# Altium PCB OZ440-SE140-CAR001.PcbDoc (part 2 of 2)
Units mm, origin at the board's own origin, x right, y up, seen from the top; angles counter-clockwise.
Board outline 89.8 x 89.8 mm, 4 copper layers (Top Layer, Mid-Layer 1, Mid-Layer 2, Bottom Layer), stack 1.586 mm thick; 153 components, 102 nets, 482 pads, 333 vias.
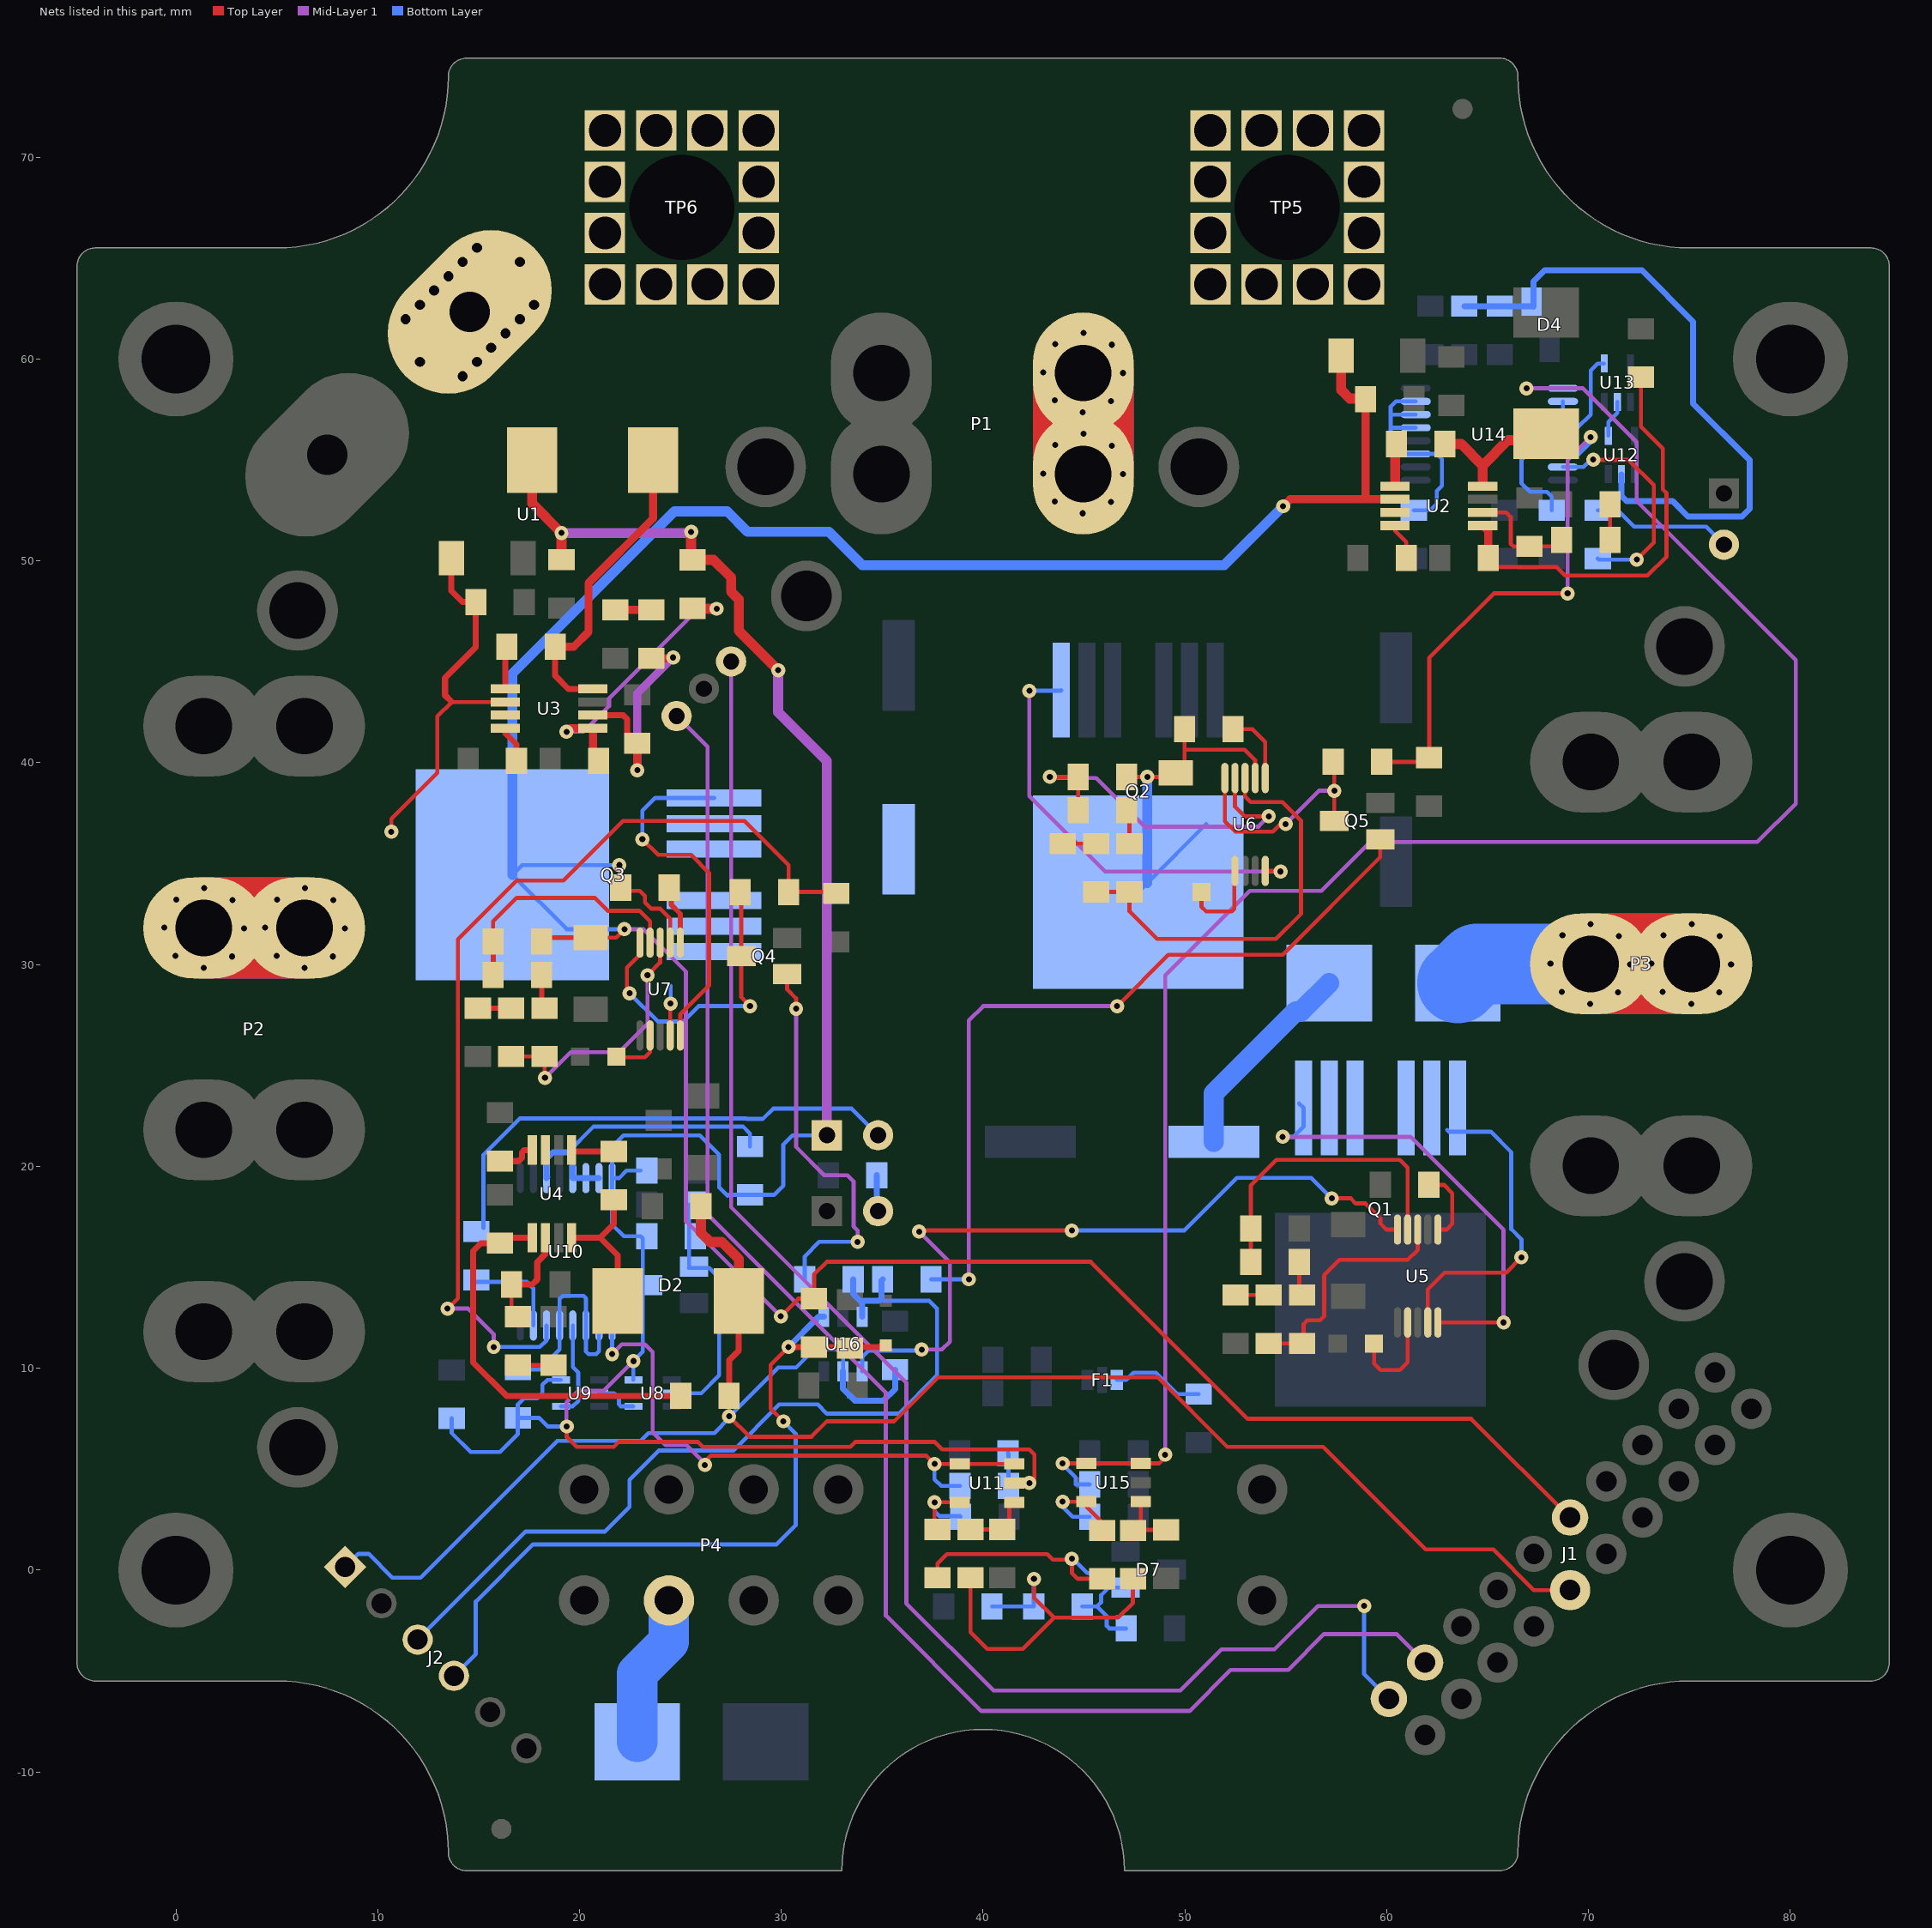
[diagram p4: the nets of this part, all layers, seen from the top]

## Via types
v1: diameter 0.7, hole 0.3, Top Layer to Bottom Layer, tented both sides, 305 vias
v2: diameter 0.6, hole 0.5, Top Layer to Bottom Layer, tented both sides, 28 vias

## Nets (pads, with @x,y where several pads share a name; then routed paths per layer and width w, separated by ;. In a path a pad name is that pad's centre, name@x,y a point inside that pad or via, vN(x,y) a via of type N, cw(c..) or ccw(c..) an arc to the next point about the centre after c; other vN are vias at no path point) (continued)
MAIN_POWER_SWITCHED: C2.2 C3.2 C8.2 C9.2 C25.2 J1.12 P2.2 Q3.8 R26.2 R27.2 R49.2 U2.2 U3.2 U7.2 | length 178.1
  Top Layer w0.2: v1(10.676,36.576) 10.676,37.219 12.954,39.497 12.954,42.291 13.669,43.006 U3.2@16.326,43.006 ; C25.2@20.549,31.334 21.809,31.334 v1(22.225,31.75) ; v1(21.971,34.925) 22.041,34.855 R26.2@22.041,33.807 22.193,33.655 22.987,33.655 23.241,33.401 23.241,33.077 23.552,32.766 24.003,32.766 24.494,32.275 U7.2@24.494,31.083 ; v1(29.972,12.573) 30.842,13.443 R49.2@31.623,13.443 31.623,14.637 32.258,15.272 45.333,15.272 53.111,7.493 64.189,7.493 J1.12@69.084,2.598
  Top Layer w0.25: R27.2@18.123,31.14 18.123,31.334 C25.2@20.549,31.334 ; R26.2@22.143,33.299 R26.2@22.168,33.274
  Top Layer w0.3: C8.2@13.649,50.13 13.649,48.514 14.205,47.958 C9.2@14.862,47.958 14.862,45.723 13.335,44.196 13.335,43.341 13.669,43.006
  Top Layer w0.4: v1(54.864,52.705) 55.208,53.049 58.877,53.049 ; C3.2@58.95,58.001 58.95,53.122 58.877,53.049 ; U2.2@60.414,53.049 58.877,53.049
  Top Layer w0.5: C2.2@57.737,60.173 57.737,58.468 58.166,58.039 58.912,58.039 C3.2@58.95,58.001
  Mid-Layer 1 w0.2: v1(22.225,31.75) 23.165,31.75 25.273,29.642 25.273,17.272 v1(29.972,12.573)
  Bottom Layer w0.2: v1(21.971,34.925) 17.154,34.925 Q3.8@16.672,34.442 19.364,31.75 v1(22.225,31.75)
  Bottom Layer w0.5: Q3.8@16.672,34.442 16.672,44.415 24.708,52.451 27.312,52.451 28.328,51.435 32.36,51.435 34.011,49.784 51.943,49.784 v1(54.864,52.705)
  other v1: 1.375,29.835 6.375,29.835 2.777,30.398 7.777,30.398 -0.014,30.428 4.986,30.428 3.371,31.787 8.371,31.787 -0.577,31.83 4.423,31.83 2.808,33.189 7.808,33.189 0.017,33.219 5.017,33.219 1.397,33.782 6.397,33.782
NetC1_1: C1.1 U2.1 | length 1.9
  Top Layer w0.5: 60.414,53.95 60.414,55.718 C1.1@60.484,55.788
NetC1_2: C1.2 L1.1 U2.8 | length 6.8
  Top Layer w0.5: C1.2@62.884,55.788 63.69,55.788 64.755,54.722 ; U2.8@64.755,53.899 64.755,54.722 ; L1.1@67.894,55.982 66.015,55.982 64.755,54.722
NetC5_2: C5.2 R5.1 U2.6 | length 5.1
  Top Layer w0.2: U2.6@64.755,52.399 65.915,52.399 66.142,52.172 66.142,50.851 66.294,50.698 66.313,50.718 C5.2@67.075,50.718 R5.1@68.358,50.718
NetC6_2: C6.2 R5.2 | length 1.8
  Top Layer w0.2: R5.2@71.069,51.029 C6.2@71.069,52.807
NetC7_1: C7.1 U3.1 | length 2.1
  Top Layer w0.3: U3.1@16.326,43.656 16.326,45.675 C7.1@16.396,45.745
NetC7_2: C7.2 L2.1 U3.8 | length 15.4
  Top Layer w0.3: C7.2@18.796,45.745 18.796,44.304 19.443,43.656 U3.8@20.667,43.656
  Top Layer w0.4: C7.2@18.796,45.745 19.71,45.745 20.447,46.482 20.447,48.895 23.647,52.095 L2.1@23.647,54.991
NetC11_2: C11.2 R9.1 U3.6 | length 12.1
  Top Layer w0.3: U3.6@20.667,42.356 22.16,42.356 22.352,42.164 22.352,41.472 C11.2@22.86,40.964
  Top Layer w0.4: v1(22.86,39.624) C11.2@22.86,40.964 ; R9.1@23.552,45.165 24.558,45.165 24.638,45.085 v1(24.638,45.212)
  Mid-Layer 1 w0.4: v1(22.86,39.624) 22.86,43.434 v1(24.638,45.212)
NetC12_2: C12.2 R9.2 | length 1.8
  Top Layer w0.4: C12.2@21.774,47.565 R9.2@23.552,47.565
NetC13_1: C13.1 U4.1 | length 2.1
  Top Layer w0.3: U4.1@19.612,20.809 19.682,20.739 C13.1@21.701,20.739
NetC13_2: C13.2 L3.1 U4.8 | length 7.1
  Top Layer w0.3: U4.8@19.612,16.468 21.024,16.468 ; C13.2@21.701,18.339 21.701,17.145 21.024,16.468 ; L3.1@21.895,13.329 21.895,15.597 21.024,16.468
NetC17_2: C17.2 R13.1 U4.6 | length 5.3
  Top Layer w0.2: C17.2@16.631,14.148 16.631,12.865 R13.1@16.942,12.554
  Top Layer w0.3: C17.2@16.631,14.148 17.662,14.148 17.907,14.393 17.907,15.26 18.312,15.665 U4.6@18.312,16.468
NetC18_2: C18.2 R13.2 | length 1.8
  Top Layer w0.2: R13.2@16.942,10.154 C18.2@18.72,10.154
NetC20_1: C20.1 F3.1 Q1.2 Q1.3 Q1.5 Q1.6 Q1.7 U5.9 | length 26.4
  Top Layer w0.2: U5.9@62.035,12.266 62.035,13.902 62.865,14.732 65.913,14.732 v1(66.675,15.494)
  Bottom Layer w0.2: 62.992,21.808 63.083,21.717 65.151,21.717 66.167,20.701 66.167,16.891 66.675,16.383 v1(66.675,15.494)
  Bottom Layer w1: C20.1@51.435,21.209 51.435,23.622 55.499,27.686 55.753,27.686 F3.1@57.15,29.083
NetC21_2: C21.2 U5.7 | length 4.9
  Top Layer w0.2: C21.2@59.371,11.221 59.371,10.225 59.69,9.906 60.654,9.906 61.035,10.287 U5.7@61.035,12.266
NetC22_2: C22.2 C26.1 Q2.8 Q3.2 Q3.3 Q3.5 Q3.6 Q3.7 R20.2 R21.2 U6.2 U7.9 | length 21.5
  Top Layer w0.2: U7.9@24.494,26.483 24.494,28.067 v1(24.511,28.067) ; R21.2@47.11,39.294 v1(48.133,39.294) 49.342,39.294 C22.2@49.536,39.488 49.981,39.933 49.981,40.64 ; R20.2@49.981,41.148 49.981,40.64 ; U6.2@53.481,39.237 53.481,40.118 52.959,40.64 49.981,40.64
  Bottom Layer w0.2: v1(24.511,28.067) 24.511,28.956 ; Q2.8@47.682,33.588 48.133,34.039 Q2.8@51.054,36.96
  Bottom Layer w0.5: Q2.8@48.133,34.039 v1(48.133,39.294)
NetC24_2: C24.2 U6.7 | length 4.4
  Top Layer w0.2: C24.2@50.817,33.592 50.817,32.87 51.054,32.633 52.318,32.633 52.451,32.766 52.451,34.607 U6.7@52.481,34.637
NetC27_2: C27.2 U7.7 | length 2.6
  Top Layer w0.2: C27.2@21.83,25.438 21.868,25.4 23.241,25.4 23.494,25.653 U7.7@23.494,26.483
NetC30_2: C30.2 D2.1 R33.2 U8.2 | length 12.4
  Bottom Layer w0.2: U8.2@24.572,8.763 26.037,8.763 26.924,9.65 26.924,14.478 26.431,14.971 25.408,14.971 25.432,14.995 25.432,15.022 C30.2@25.432,18.11
NetC31_1: C31.1 R37.2 U11.3 | length 4.5
  Top Layer w0.2: R37.2@37.743,2.013 37.592,2.163 v1(37.592,3.358) U11.3@38.837,3.358
  Bottom Layer w0.2: v1(37.592,3.358) 37.592,2.921 37.846,2.667 38.856,2.667 C31.1@38.881,2.642
NetC35_2: C35.2 D4.1 R41.2 U12.2 | length 32.3
  Bottom Layer w0.3: C35.2@63.845,62.617 R41.2@65.608,62.617 67.256,62.617 67.274,62.6 67.274,63.845 67.818,64.389 72.644,64.389 75.184,61.849 75.184,57.785 77.978,54.991 77.978,52.578 77.597,52.197 74.93,52.197 74.168,52.959 71.882,52.959 71.628,53.213 U12.2@71.628,54.27
NetC36_1: C36.1 R45.2 U15.3 | length 5.1
  Top Layer w0.2: v1(43.942,3.383) U15.3@45.11,3.383 45.11,3.15 45.898,2.362 R45.2@45.898,1.962
  Bottom Layer w0.2: v1(43.942,3.383) 43.688,3.383 44.43,2.642 C36.1@45.282,2.642
NetC41_1: C41.1 R38.2 U11.4 | length 3.2
  Top Layer w0.2: R38.2@39.368,2.013 C41.1@40.945,2.013 41.3,2.368 41.3,3.122 U11.4@41.537,3.358
NetC42_1: C42.1 R46.2 U15.4 | length 3.2
  Top Layer w0.2: U15.4@47.81,3.383 47.81,2.351 47.447,1.987 C42.1@49.073,1.987
NetD1_2: D1.2 R1.2 | length 1.8
  Bottom Layer w0.3: R1.2@34.728,19.558 34.728,17.85 D1.2@34.798,17.78
NetD3_2: D3.2 R34.2 | length 24.7
  Bottom Layer w0.2: R34.2@15.24,16.942 15.24,20.574 17.037,22.371 28.264,22.371 28.283,22.352 29.083,22.352 29.591,22.86 33.477,22.86 D3.2@34.798,21.539
NetD5_2: D5.2 R42.2 | length 7
  Bottom Layer w0.2: R42.2@70.46,52.508 71.444,52.508 72.263,51.689 75.819,51.689 D5.2@76.708,50.8
NetF1_1: F1.1 R53.2 | length 4.7
  Bottom Layer w0.2: F1.1@46.623,9.423 47.089,9.423 47.447,9.782 48.029,9.782 48.031,9.779 48.565,9.779 49.625,8.718 R53.2@50.688,8.718
NetF2_2: F2.2 P4.3 | length 7.7
  Bottom Layer w2: F2.2@22.858,-8.509 22.858,-5.127 24.429,-3.556 P4.3@24.429,-1.506
NetF3_2: F3.2 P3.2 | length 12
  Bottom Layer w4: F3.2@63.52,29.083 64.467,30.03 P3.2@70.108,30.03 71.466,30.03 71.497,30.03 72.06,30.03 73.113,30.03 73.675,30.03 73.706,30.03 75.086,30.03 P3.2@75.108,30.03
  other v1: 70.086,28.057 75.086,28.057 71.466,28.62 76.466,28.62 68.675,28.65 73.675,28.65 72.06,30.009 77.06,30.009 68.113,30.052 73.113,30.052 71.497,31.411 76.497,31.411 68.706,31.441 73.706,31.441 70.108,32.004 75.108,32.004
NetP1_1: P1.1 TP5.1
  other v1: 44.936,52.353 46.338,52.916 43.547,52.947 46.932,54.305 42.984,54.327 46.369,55.707 43.578,55.738 44.98,56.3 44.936,57.353 46.338,57.916 43.547,57.947 46.932,59.305 42.984,59.327 46.369,60.707 43.578,60.738 44.98,61.3
NetQ1_1: Q1.1 U5.10 | length 23.2
  Top Layer w0.2: U5.10@62.535,12.266 v1(65.786,12.266)
  Mid-Layer 1 w0.2: v1(54.841,21.463) 61.178,21.463 65.786,16.855 v1(65.786,12.266)
  Bottom Layer w0.2: v1(54.841,21.463) 55.372,21.463 55.88,21.971 Q1.1@55.88,22.887 Q1.1@55.653,23.114
NetQ2_1: Q2.1 U6.10 | length 21.6
  Top Layer w0.2: U6.10@53.981,34.637 54.707,34.637 v1(54.737,34.607)
  Mid-Layer 1 w0.2: v1(42.291,43.561) 42.291,38.354 46.038,34.607 v1(54.737,34.607)
  Bottom Layer w0.2: v1(42.291,43.561) 43.845,43.561 Q2.1@43.872,43.588
NetQ3_1: Q3.1 U7.10 | length 17.9
  Top Layer w0.2: v1(23.114,36.209) 23.89,35.433 25.527,35.433 26.416,34.544 26.416,28.956 24.994,27.534 U7.10@24.994,26.483
  Bottom Layer w0.2: v1(23.114,36.209) 23.114,37.617 23.749,38.252 Q3.1@26.672,38.252
NetQ4_3: Q4.3 R35.1 U7.5 | length 15.6
  Top Layer w0.2: v1(22.479,28.575) 22.352,28.702 22.352,29.845 22.994,30.487 U7.5@22.994,31.083 ; R35.1@27.959,33.592 28.016,33.535 Q4.3@28.016,30.417 ; Q4.3@28.022,30.411 Q4.3@28.016,30.417 ; v1(28.448,27.94) 28.016,28.372 Q4.3@28.016,30.417
  Bottom Layer w0.2: v1(22.479,28.575) 23.876,27.178 25.146,27.178 25.908,27.94 v1(28.448,27.94)
NetQ5_3: Q5.3 R55.1 U6.5 | length 11.6
  Top Layer w0.2: U6.5@51.981,39.237 51.981,37.097 52.502,36.576 54.356,36.576 54.737,36.957 v1(54.991,36.957) ; R55.1@57.347,40.039 57.404,39.982 v1(57.404,38.608) Q5.3@57.404,37.109
  Mid-Layer 1 w0.2: v1(54.991,36.957) 56.642,38.608 v1(57.404,38.608)
NetR2_1: R2.1 R3.2 U2.5 | length 20.7
  Top Layer w0.2: R3.2@65.03,50.14 65.487,49.682 68.428,49.682 68.834,49.276 72.923,49.276 73.863,50.216 73.863,53.349 73.679,53.533 73.679,55.556 72.593,56.642 R2.1@72.593,59.1
  Top Layer w0.4: U2.5@64.755,51.749 65.03,51.474 R3.2@65.03,50.14
NetR4_2: R4.2 U2.4 | length 1.8
  Top Layer w0.2: U2.4@60.414,51.749 60.414,51.473 60.966,50.921 R4.2@60.966,50.14
NetR6_1: R6.1 R7.2 U3.5 | length 14.5
  Top Layer w0.2: R6.1@25.603,47.644 R6.1@25.622,47.625
  Top Layer w0.4: v1(19.355,41.529) 19.532,41.706 U3.5@20.667,41.706 20.667,40.372 R7.2@20.942,40.097
  Top Layer w0.5: R6.1@25.622,47.625 v1(26.797,47.625)
  Mid-Layer 1 w0.2: v1(19.355,41.529) 20.193,41.529 21.463,42.799 21.463,43.18 25.908,47.625 v1(26.797,47.625)
NetR8_2: R8.2 U3.4 | length 1.8
  Top Layer w0.3: U3.4@16.326,41.706 16.326,41.459 16.878,40.907 R8.2@16.878,40.097
NetR10_1: R10.1 R11.2 U4.5 | length 19.7
  Top Layer w0.3: U4.5@17.662,16.468 16.328,16.468 R11.2@16.053,16.193 15.113,16.193 14.732,15.812 14.732,10.279 16.381,8.63 R10.1@25.013,8.63
NetR12_2: R12.2 U4.4 | length 2
  Top Layer w0.3: R12.2@16.053,20.257 16.977,20.257 17.145,20.425 17.145,20.701 17.253,20.809 U4.4@17.662,20.809
NetR14_1: R14.1 U5.1 | length 3.7
  Top Layer w0.2: R14.1@62.084,19.082 62.833,19.082 63.246,18.669 63.246,17.145 62.967,16.866 U5.1@62.535,16.866
NetR15_1: R15.1 R16.2 U5.4 | length 15.3
  Top Layer w0.2: R16.2@53.264,15.272 R15.1@53.264,16.923 53.264,19.05 54.534,20.32 60.654,20.32 61.035,19.939 U5.4@61.035,16.866
NetR16_1: R16.1 R17.2 | length 1.7
  Top Layer w0.2: R16.1@55.664,15.272 55.664,13.761 R17.2@55.804,13.621
NetR17_1: R17.1 R18.2 U5.3 | length 12
  Top Layer w0.2: R18.2@54.153,11.221 R17.1@55.804,11.221 55.88,11.297 55.88,12.192 56.058,12.37 56.693,12.37 56.896,12.573 56.896,14.605 57.658,15.367 61.035,15.367 61.535,15.867 U5.3@61.535,16.866
NetR18_1: R18.1 R19.2 | length 1.7
  Top Layer w0.2: R19.2@52.502,13.621 R18.1@54.153,13.621
NetR20_1: R20.1 U6.1 | length 3.6
  Top Layer w0.2: R20.1@52.381,41.656 53.346,41.656 53.981,41.021 U6.1@53.981,39.237
NetR21_1: R21.1 R22.2 U6.4 | length 18.3
  Top Layer w0.2: v1(43.307,39.294) R21.1@44.71,39.294 R22.2@44.71,37.643 ; U6.4@52.481,39.237 52.481,37.816 52.959,37.338 v1@54.01,37.338
  Mid-Layer 1 w0.2: v1(43.307,39.294) 43.307,39.243 45.593,39.243 48.006,36.83 53.645,36.83 v1(54.153,37.338)
NetR22_1: R22.1 R23.2 | length 1.7
  Top Layer w0.2: R22.1@47.11,37.643 47.25,37.503 R23.2@47.25,35.992
NetR23_1: R23.1 R24.2 U6.3 | length 21
  Top Layer w0.2: R24.2@45.599,33.592 R23.1@47.25,33.592 47.25,32.633 48.616,31.267 54.508,31.267 55.753,32.512 55.753,37.122 54.826,38.049 53.248,38.049 52.981,38.316 U6.3@52.981,39.237
NetR24_1: R24.1 R25.2 | length 1.7
  Top Layer w0.2: R25.2@43.948,35.992 R24.1@45.599,35.992
NetR26_1: R26.1 U7.1 | length 2.4
  Top Layer w0.25: R26.1@24.543,33.299 24.543,32.963 24.994,32.512 U7.1@24.994,31.083
NetR27_1: R27.1 R28.2 U7.4 | length 12.4
  Top Layer w0.2: R27.1@15.723,31.14 15.723,32.131 16.891,33.299 20.753,33.299 21.388,32.664 22.962,32.664 23.494,32.132 U7.4@23.494,31.083
  Top Layer w0.25: R28.2@15.723,29.489 R27.1@15.723,31.14
NetR28_1: R28.1 R29.2 | length 1.8
  Top Layer w0.25: R28.1@18.123,29.489 18.123,27.838 R29.2@18.263,27.838
NetR29_1: R29.1 R30.2 U7.3 | length 13.2
  Top Layer w0.2: R30.2@16.612,25.438 R29.1@18.263,25.438 18.263,24.536 18.237,24.511 18.237,24.435 v1(18.288,24.384) ; v1(23.368,29.464) 23.994,30.09 U7.3@23.994,31.083
  Mid-Layer 1 w0.2: v1(18.288,24.384) 19.558,25.654 21.971,25.654 23.368,27.051 v1(23.368,29.464)
NetR30_1: R30.1 R31.2 | length 1.7
  Top Layer w0.25: R31.2@14.961,27.838 R30.1@16.612,27.838
NetR32_2: R32.2 U10.2 U10.3 U10.5 | length 11.1
  Bottom Layer w0.2: R32.2@16.942,9.938 18.031,9.938 19.015,10.922 U10.5@19.015,12.116 19.015,13.427 19.177,13.589 20.193,13.589 20.32,13.462 20.315,13.457 U10.3@20.315,12.116 20.315,10.831 20.447,10.699 20.828,10.699 20.965,10.836 U10.2@20.965,12.116
NetR34_1: R34.1 U10.7 | length 4.8
  Bottom Layer w0.2: R34.1@14.884,14.275 17.395,14.275 17.715,13.955 U10.7@17.715,12.116
NetR35_2: R35.2 R43.1 U10.6 | length 48.9
  Top Layer w0.2: v1(13.462,12.954) 13.97,13.462 13.97,31.242 16.891,34.163 19.202,34.163 22.149,37.109 28.169,37.109 30.359,34.919 R35.2@30.359,33.592 32.645,33.592 R43.1@32.715,33.522
  Mid-Layer 1 w0.2: v1(13.462,12.954) 14.478,12.954 15.748,11.684 v1(15.748,11.049)
  Bottom Layer w0.2: v1(15.748,11.049) 18.034,11.049 18.365,11.38 U10.6@18.365,12.116
NetR36_2: R36.2 U10.1 U11.1 U11.6 | length 28.7
  Top Layer w0.2: v1@26.162,5.334 26.492,5.664 37.186,5.664 v1(37.592,5.258) U11.1@38.837,5.258 U11.6@41.537,5.258
  Mid-Layer 1 w0.2: v1(21.615,10.699) 22.092,11.176 23.241,11.176 23.622,10.795 23.622,6.825 24.257,6.19 25.306,6.19 v1@26.162,5.334
  Bottom Layer w0.2: v1(21.615,10.699) U10.1@21.615,12.116 ; v1(37.592,5.258) 37.592,4.496 37.922,4.166 R36.2@38.856,4.166
  other v1: 26.213,5.207
NetR39_2: R39.2 U10.11 U10.13 U10.14 U10.15 | length 15.2
  Bottom Layer w0.2: 19.431,20.701 20.701,21.971 28.098,21.971 28.448,21.621 R39.2@28.448,20.987
  Bottom Layer w0.3: U10.11@18.409,19.459 U10.11@18.365,19.416 18.365,20.378 18.688,20.701 19.431,20.701 19.665,20.467 U10.13@19.665,19.416 U10.15@20.965,19.416
NetR40_2: R40.2 U14.2 U14.3 U14.5 | length 9.6
  Bottom Layer w0.2: R40.2@68.18,52.508 68.18,53.181 67.945,53.416 67.107,53.416 66.675,53.848 66.675,54.998 67.624,55.947 ; U14.5@68.732,55.947 67.624,55.947 ; U14.2@68.732,57.897 U14.3@68.732,57.247 67.403,57.247 67.183,57.027 67.183,56.388 67.624,55.947
NetR42_1: R42.1 U14.7 | length 11.2
  Top Layer w0.2: v1(70.231,55.014) 70.231,54.999 70.232,54.998 71.98,54.998 73.229,53.749 73.229,50.899 v1(72.39,50.06)
  Bottom Layer w0.2: U14.7@68.732,54.647 69.753,54.647 70.12,55.014 v1(70.231,55.014) ; R42.1@70.46,50.108 70.507,50.06 v1(72.39,50.06)
NetR44_2: R44.2 U14.1 U15.1 U15.6 | length 95.7
  Top Layer w0.2: v1(43.942,5.283) U15.1@45.11,5.283 U15.6@47.81,5.283 48.717,5.283 49.149,5.715 v1(49.022,5.715)
  Mid-Layer 1 w0.2: v1(49.022,5.715) 49.022,29.464 53.213,33.655 56.769,33.655 59.182,36.068 78.359,36.068 80.264,37.973 80.264,45.085 72.39,52.959 72.39,55.88 69.723,58.547 v1(66.929,58.547)
  Bottom Layer w0.2: v1(43.942,5.283) 43.881,5.283 44.577,4.587 44.577,4.246 44.581,4.242 R44.2@45.282,4.242 ; v1(66.929,58.547) U14.1@68.732,58.547
NetR47_2: R47.2 U14.11 U14.13 U14.14 U14.15 | length 12.2
  Bottom Layer w0.2: R47.2@61.341,52.508 62.16,52.508 62.484,52.832 62.484,53.467 62.738,53.721 62.738,55.043 62.484,55.297 U14.11@61.432,55.297 60.527,55.297 60.198,55.626 60.198,56.515 ; U14.13@61.432,56.597 60.28,56.597 60.198,56.515 ; U14.14@61.432,57.247 60.228,57.247 60.198,57.277 ; U14.15@61.432,57.897 60.452,57.897 60.198,57.643 60.198,57.277 ; 60.198,56.515 60.198,57.277
NetR55_2: R55.2 R56.1 U14.6 | length 25.7
  Top Layer w0.2: R55.2@59.747,40.039 61.896,40.039 R56.1@62.103,40.246 62.103,45.183 65.307,48.387 v1(68.961,48.387)
  Mid-Layer 1 w0.2: v1(68.961,48.387) 68.961,54.995 v1(70.1,56.134)
  Bottom Layer w0.2: U14.6@68.732,55.297 69.521,55.297 70.108,55.884 70.108,56.126 v1(70.1,56.134)
NetTP6_1: TP6.1 U1.5
  other v2: 14.212,59.148 12.091,59.855 14.919,59.855 15.626,60.562 16.333,61.27 11.383,61.977 17.04,61.977 12.091,62.684 17.747,62.684 12.798,63.391 13.505,64.098 14.212,64.805 17.04,64.805 14.919,65.512
NetU2_3: U2.3
NetU3_3: U3.3
NetU4_3: U4.3
NetU5_5: U5.5 U16.4 | length 37.5
  Top Layer w0.2: v1(36.83,16.764) 36.887,16.821 v1(44.399,16.821) ; v1@36.957,10.877 v1(36.957,10.922) ; v1(57.277,18.415) 58.217,18.415 58.471,18.161 58.953,18.161 59.684,17.431 59.684,17.183 60.001,16.866 U5.5@60.535,16.866
  Mid-Layer 1 w0.2: v1(36.83,16.764) 38.354,15.24 38.354,11.318 37.958,10.922 v1(36.957,10.922)
  Bottom Layer w0.2: U16.4@34.006,9.848 34.006,10.541 34.341,10.877 v1@36.957,10.877 ; v1(44.399,16.821) 49.968,16.821 52.578,19.431 56.261,19.431 v1(57.277,18.415)
NetU8_4: U8.4 U9.2 | length 2.1
  Bottom Layer w0.2: U9.2@20.98,8.763 21.702,8.763 21.956,8.509 21.956,8.202 22.045,8.113 U8.4@22.672,8.113
NetU9_4: U9.4 U10.4 | length 4.8
  Bottom Layer w0.2: U9.4@19.08,8.113 19.67,8.113 19.939,8.382 19.939,9.782 19.665,10.055 U10.4@19.665,12.116
NetU12_4: U12.4 U13.2 | length 1.9
  Bottom Layer w0.2: U12.4@70.978,56.195 70.978,56.885 71.425,57.332 U13.2@71.425,57.876
NetU13_4: U13.4 U14.4 | length 4.6
  Bottom Layer w0.2: U14.4@68.732,56.597 69.454,56.597 70.104,57.247 70.104,59.436 70.444,59.776 U13.4@70.775,59.776
PGC: J2.3 R51.1 R52.1 U16.3 | length 42.7
  Bottom Layer w0.2: J2.3@11.981,-3.447 17.334,1.905 21.26,1.905 22.479,3.124 22.479,4.471 23.926,5.918 27.616,5.918 29.9,8.202 31.803,8.202 32.258,7.747 35.814,7.747 37.719,9.652 37.719,12.954 37.338,13.335 35.085,13.335 34.958,13.462
  Bottom Layer w0.3: R51.1@33.56,14.402 33.56,13.684 34.006,13.238 ; U16.3@34.006,12.548 34.006,13.238 ; R52.1@35.02,14.402 34.958,14.339 34.958,13.462 34.831,13.335 34.102,13.335 34.006,13.238
PGD: D6.K J2.4 R49.1 R50.1 U16.1 | length 38.4
  Top Layer w0.2: v1(30.099,7.366) 29.464,8.001 29.464,10.16 v1(30.353,11.049)
  Top Layer w0.3: v1(30.353,11.049) 30.359,11.043 R49.1@31.623,11.043 34.858,11.043 D6.K@34.95,11.135
  Bottom Layer w0.2: J2.4@13.778,-5.243 14.859,-4.162 14.859,-1.563 17.692,1.27 29.769,1.27 30.709,2.21 30.709,6.756 v1(30.099,7.366) v1@30.099,7.239
  Bottom Layer w0.3: v1(30.353,11.049) 31.852,12.548 U16.1@32.106,12.548
PIC_PWR: C16.2 C38.1 J1.9 J2.1 L3.2 R10.2 U16.5 | length 95.4
  Top Layer w0.2: R10.2@27.413,8.63 v1(27.413,7.62) 28.429,6.604 31.496,6.604 32.258,7.366 35.585,7.366 37.77,9.55 47.404,9.55 47.413,9.559 48.632,9.559 52.095,6.096 56.845,6.096 61.925,1.016 65.278,1.016 67.289,-0.995 J1.9@69.084,-0.995
  Top Layer w0.3: R10.2@27.413,8.63 27.413,10.395 27.895,10.877 L3.2@27.895,13.329
  Top Layer w0.5: C16.2@26.016,18.028 26.016,16.707 26.467,16.256 27.051,16.256 27.895,15.412 L3.2@27.895,13.329
  Bottom Layer w0.2: J2.1@8.389,0.145 9.046,0.801 9.549,0.801 10.731,-0.381 12.116,-0.381 18.898,6.401 23.038,6.401 23.419,6.782 26.676,6.782 27.432,7.538 27.413,7.557 v1(27.413,7.62) 27.432,7.62 29.845,10.033 30.734,10.033 31.623,10.922 32.766,10.922 33.056,10.632 U16.5@33.056,9.848
  Bottom Layer w0.3: U16.5@33.056,9.848 33.056,8.981 33.655,8.382 35.052,8.382 35.636,8.966 C38.1@35.636,9.925
POWER1_EN_DELAYED: Q4.1 R51.2 | length 19.4
  Top Layer w0.2: Q4.1@30.291,29.517 30.291,28.764 30.734,28.321 v1(30.734,27.813)
  Mid-Layer 1 w0.2: v1(30.734,27.813) 30.734,20.955 32.131,19.558 33.274,19.558 33.578,19.254 33.578,17.025 33.782,16.821 v1(33.782,16.256)
  Bottom Layer w0.2: R51.2@31.16,14.402 31.16,15.539 31.877,16.256 v1(33.782,16.256)
POWER2_EN_DELAYED: Q5.1 R52.2 | length 39.7
  Top Layer w0.2: v1(46.634,27.94) 49.174,30.48 54.841,30.48 59.679,35.318 Q5.1@59.679,36.209 Q5.1@59.944,35.944
  Mid-Layer 1 w0.2: v1(39.292,14.402) 39.292,27.227 40.005,27.94 v1(46.634,27.94)
  Bottom Layer w0.2: R52.2@37.42,14.402 v1(39.292,14.402)
SENSOR_N: R38.1 R46.1 R57.1 R58.2 | length 19
  Top Layer w0.2: R38.1@39.368,-0.387 39.368,-3.072 40.208,-3.912 41.961,-3.912 43.51,-2.362 ; v1(42.52,-0.438) 42.52,-1.372 43.51,-2.362 ; R46.1@47.422,-0.438 47.422,-1.626 46.685,-2.362 43.51,-2.362
  Bottom Layer w0.2: R58.2@40.443,-1.803 R57.1@42.513,-1.803 42.513,-0.444 v1(42.52,-0.438)
SENSOR_P: D7.1 R37.1 R45.1 R54.1 R57.2 | length 17.4
  Top Layer w0.2: R37.1@37.743,-0.387 37.743,0.328 38.202,0.787 43.18,0.787 43.459,0.508 v1@44.348,0.508 ; v1(44.399,0.559) v1@44.348,0.508 ; R45.1@45.898,-0.438 44.685,-0.438 44.399,-0.152 44.399,0.457 v1@44.348,0.508
  Bottom Layer w0.2: v1(44.399,0.559) 44.399,0.61 45.158,-0.149 45.491,-0.149 46.217,-0.875 ; R57.2@44.913,-1.803 45.644,-1.803 ; D7.1@47.058,-0.875 46.217,-0.875 ; R54.1@47.085,-2.896 46.253,-2.896 46.126,-2.769 46.126,-2.286 45.644,-1.803 ; 45.644,-1.803 45.847,-1.6 45.847,-1.245 46.217,-0.875
VCC_SENS: J1.2 U1.1 | length 81.6
  Mid-Layer 1 w0.2: U1.1@27.513,45.013 27.513,17.972 36.195,9.29 36.195,-1.651 40.513,-5.969 49.777,-5.969 51.809,-3.937 54.433,-3.937 56.592,-1.778 v1(58.877,-1.778)
  Bottom Layer w0.2: v1(58.877,-1.778) 58.877,-5.156 J1.2@60.104,-6.383
VCC_U_OZ440-SE140-CAR001_sheet4_Engagement_block1: C10.2 C28.1 C29.1 C32.1 D2.3 D3.1 L2.2 R6.2 R32.1 R33.1 R36.1 R39.1 U8.5 U9.5 U10.16 U11.5 | length 123
  Top Layer w0.2: v1(19.364,7.112) 19.364,6.613 19.355,6.604 19.863,6.096 21.701,6.096 21.955,6.35 25.864,6.35 26.118,6.096 33.429,6.096 33.683,6.35 37.592,6.35 37.973,5.969 42.291,5.969 42.545,5.715 42.545,4.308 v1(42.291,4.308) U11.5@41.537,4.308
  Top Layer w0.5: L2.2@17.647,54.991 17.647,52.838 v1(19.107,51.378) C10.2@19.107,50.06 ; v1(25.527,51.435) 25.527,50.12 R6.2@25.603,50.044 26.645,50.044 27.513,49.176 27.513,48.47 27.895,48.087 27.895,46.527 v1(29.845,44.577)
  Mid-Layer 1 w0.2: v1(19.364,7.112) 19.364,6.613 19.355,6.604 19.355,8.306 19.939,8.89 21.209,8.89 v1(22.672,10.353)
  Mid-Layer 1 w0.5: v1(19.107,51.378) 25.47,51.378 v1(25.527,51.435) ; v1(29.845,44.577) 29.845,42.498 32.258,40.085 D3.1@32.258,21.539
  Bottom Layer w0.2: C29.1@13.665,7.512 13.665,6.782 14.605,5.842 16.053,5.842 16.942,6.731 R32.1@16.942,7.538 ; U9.5@19.08,9.413 19.069,9.423 18.409,9.423 18.161,9.176 18.161,8.763 17.907,8.509 17.249,8.509 16.942,8.202 R32.1@16.942,7.538 ; v1(19.364,7.112) 18.415,7.112 17.989,7.538 R32.1@16.942,7.538 ; U8.5@22.672,9.413 v1(22.672,10.353) 23.133,10.814 23.133,14.071 23.133,16.434 23.032,16.535 22.2,16.535 21.615,17.12 U10.16@21.615,19.416 ; C28.1@23.032,19.787 22.327,19.787 21.956,19.416 U10.16@21.615,19.416 ; D3.1@32.207,21.59 D3.1@32.258,21.539 30.556,21.539 30.099,21.082 30.099,19.05 29.636,18.587 R39.1@28.448,18.587 27.381,18.587 27.336,18.542 26.924,18.954 26.924,20.574 25.959,21.539 22.174,21.539 21.615,20.98 U10.16@21.615,19.416 ; C32.1@41.23,5.791 41.256,5.766 R36.1@41.256,4.166 41.398,4.308 v1(42.291,4.308)
VOUT_SENS: J1.4 U1.3 | length 79.7
  Mid-Layer 1 w0.2: U1.3@24.811,42.312 26.34,40.784 26.34,17.628 35.179,8.789 35.179,-2.26 39.904,-6.985 50.226,-6.985 52.258,-4.953 55.118,-4.953 56.896,-3.175 60.488,-3.175 J1.4@61.9,-4.587
pads on no net: Cent1.0 Cent2.0 Cent3.0 Cent4.0 D2.2 D4.2 D7.2 J1.13 J1.18 J1.20 J2.5 P1.Fix1 P1.Fix2 P2.Fix1 P2.Fix2 P3.Fix1 P3.Fix2 TP1.1 TP2.1 TP3.1 TP4.1 U8.1 U9.1 U10.9 U10.10 U12.1 U13.1 U14.9 U14.10

## Polygon pours and split planes (outlines as drawn)
MAIN_POWER_SWITCHED on Bottom Layer "main8pwr" (solid, pour order 29): -2.032,26.67 21.59,26.67 21.59,39.853 21.615,39.878 12.192,39.878 9.144,36.83 -2.032,36.83
MAIN_POWER on Bottom Layer "NetP2_1" (solid, pour order 37): -1.651,39.497 -1.651,51.689 6.66,60 9.088,60 12.7,56.388 12.7,41.91 9.779,38.989 -1.143,38.989
NetP1_1 on Bottom Layer "NetP2_1" (solid, pour order 45): 48.26,51.308 48.26,61.087 49.403,62.23 60.325,62.23 60.325,73.025 43.815,73.025 40.005,69.215 40.005,51.308
NetTP6_1 on Bottom Layer "NetP2_1" (solid, pour order 41): 10.16,62.617 10.385,62.865 17.715,70.196 17.715,72.071 18.542,72.898 30.226,72.898 30.734,72.39 30.734,62.357 28.448,60.071 17.526,60.071 15.245,57.785 12.756,57.785 9.906,60.635 9.906,62.357
NetC22_2 on Bottom Layer "GND_PWR" (solid, pour order 30): 24.13,37.465 29.972,37.465 32.512,40.005 40.132,40.005 40.894,40.005 42.418,38.481 52.959,38.481 52.959,28.702 42.335,28.702 24.13,28.702
MAIN_POWER_OUT on Bottom Layer "GND_PWR" (solid, pour order 33): 44.704,46.355 53.721,46.355 55.245,47.879 68.072,47.879 72.644,43.307 77.216,43.307 78.74,41.783 78.74,37.084 66.167,37.084 63.246,40.005 45.085,40.005 44.704,40.386
MAIN_POWER on Bottom Layer "NetP2_1" (solid, pour order 28): 0.635,26.035 25.07,26.035 26.162,27.051 37.211,27.051 39.751,24.511 39.751,20.193 43.688,16.256 56.337,16.256 56.337,10.033 48.946,10.033 45.898,13.081 42.291,13.081 36.703,18.669 36.703,21.971 35.052,23.622 28.829,23.622 27.94,22.733 14.558,22.733 10.113,18.288 -1.016,18.288 -2.667,19.939 -2.667,22.733
MAIN_POWER on Mid-Layer 2 "NetP2_1" (solid, pour order 36): -4.445,41.783 -4.512,48.895 6.66,60 9.088,60 12.7,56.388 12.7,41.91 9.779,38.989 -1.143,38.989
GND on Mid-Layer 2 "gnd general" (solid, pour order 49): -3.999,-5.497 5.001,-5.497 cw(c5.001,-13.997) 13.501,-13.997 ccw(c14.401,-13.997) 14.401,-14.897 33.001,-14.897 cw(c40.001,-14.897) 47.001,-14.897 65.601,-14.897 ccw(c65.601,-13.997) 66.5,-13.997 cw(c75.001,-13.997) 75.001,-5.497 84.001,-5.497 ccw(c84.001,-4.597) 84.9,-4.597 84.9,64.603 ccw(c84.001,64.603) 84.001,65.503 75.001,65.503 cw(c75.001,74.003) 66.5,74.003 ccw(c65.601,74.003) 65.601,74.903 14.401,74.903 ccw(c14.401,74.003) 13.501,74.003 cw(c5.001,74.003) 5.001,65.503 -3.999,65.503 ccw(c-3.999,64.603) -4.899,64.603 -4.899,-4.597 ccw(c-3.999,-4.597)
MAIN_POWER on Mid-Layer 2 "NetP2_1" (solid, pour order 48): -4.445,44.45 -4.445,19.05 13.335,19.05 13.335,44.45
MAIN_POWER_OUT on Mid-Layer 2 "GND_PWR" (solid, pour order 32): 47.371,46.355 53.721,46.355 55.245,47.879 68.072,47.879 72.644,43.307 77.216,43.307 78.74,41.783 78.74,38.608 77.216,37.084 66.167,37.084 63.246,40.005 47.371,40.005
NetTP6_1 on Mid-Layer 2 "NetP2_1" (solid, pour order 40): 10.16,62.617 10.385,62.865 17.715,70.196 17.715,72.071 18.542,72.898 30.226,72.898 30.734,72.39 30.734,62.357 28.448,60.071 17.526,60.071 15.245,57.785 12.756,57.785 9.906,60.635 9.906,62.357
NetP1_1 on Mid-Layer 2 "NetP2_1" (solid, pour order 44): 48.26,51.308 48.26,61.087 49.403,62.23 60.325,62.23 60.325,73.025 43.815,73.025 40.005,69.215 40.005,51.308
no net on Bottom Solder "NetP2_1" (solid): 72.517,42.926 67.945,42.926 66.675,41.656 65.786,41.656 65.786,43.561 64.008,45.339 61.722,45.339 61.722,46.863 59.309,46.863 59.309,47.879 68.072,47.879 72.517,43.434
no net on Bottom Solder "NetP2_1" (solid): 52.324,46.355 53.721,46.355 55.245,47.879 59.309,47.879 59.309,46.863 59.182,46.863 59.182,45.212 56.896,45.212 55.245,43.561 55.245,40.03 52.324,40.03
no net on Bottom Paste "NetP2_1" (solid): 72.517,42.926 67.945,42.926 66.675,41.656 65.786,41.656 65.786,43.561 64.008,45.339 61.722,45.339 61.722,46.863 59.309,46.863 59.309,47.879 68.072,47.879 72.517,43.434
no net on Bottom Paste "NetP2_1" (solid): 52.324,46.355 53.721,46.355 55.245,47.879 59.309,47.879 59.309,46.863 59.182,46.863 59.182,45.212 56.896,45.212 55.245,43.561 55.245,40.03 52.324,40.03
NetP1_1 on Top Layer "NetP2_1" (solid, pour order 43): 48.26,51.308 48.26,61.087 49.403,62.23 60.325,62.23 60.325,73.025 43.815,73.025 40.005,69.215 40.005,51.308
MAIN_POWER on Top Layer "NetP2_1" (solid, pour order 47): -4.445,44.45 -4.445,19.05 13.335,19.05 13.335,33.782 10.676,33.782 7.62,36.83 7.62,44.45
NetTP6_1 on Top Layer "NetP2_1" (solid, pour order 39): 10.16,62.617 10.385,62.865 17.715,70.196 17.715,72.071 18.542,72.898 30.226,72.898 30.734,72.39 30.734,62.357 28.448,60.071 17.526,60.071 15.245,57.785 12.756,57.785 9.906,60.635 9.906,62.357
MAIN_POWER on Top Layer "NetP2_1" (solid, pour order 35): -4.445,41.783 -4.512,48.895 6.66,60 9.088,60 11.557,57.531 11.557,40.767 9.779,38.989 -1.143,38.989
GND on Top Layer "NetP2_1" (solid, pour order 50): 31.75,62.865 31.75,38.1 34.417,35.433 34.417,29.74 35.455,28.702 36.957,28.699 37.338,28.321 37.338,25.019 41.616,20.739 64.224,20.739 67.846,17.117 78.232,17.117 78.232,26.797 67.691,26.797 65.913,28.575 65.913,34.798 64.897,35.814 61.722,35.814 59.684,33.807 59.69,29.083 59.182,28.575 53.213,28.575 51.435,26.797 46.228,26.797 45.72,27.305 45.72,29.337 41.148,33.909 41.148,45.974 38.481,48.641 38.481,62.865
NetP1_1 on Mid-Layer 1 "NetP2_1" (solid, pour order 42): 48.26,51.308 48.26,61.087 49.403,62.23 60.325,62.23 60.325,73.025 43.815,73.025 40.005,69.215 40.005,51.308
MAIN_POWER on Mid-Layer 1 "NetP2_1" (solid, pour order 46): -4.445,44.45 -4.445,19.05 13.335,19.05 13.335,44.45
NetTP6_1 on Mid-Layer 1 "NetP2_1" (solid, pour order 38): 10.16,62.617 10.385,62.865 17.715,70.196 17.715,72.071 18.542,72.898 30.226,72.898 30.734,72.39 30.734,62.357 28.448,60.071 17.526,60.071 15.245,57.785 12.756,57.785 9.906,60.635 9.906,62.357
MAIN_POWER on Mid-Layer 1 "NetP2_1" (solid, pour order 34): -4.445,41.783 -4.512,48.895 6.66,60 9.088,60 12.7,56.388 12.7,41.91 9.779,38.989 -1.143,38.989
MAIN_POWER_OUT on Mid-Layer 1 "GND_PWR" (solid, pour order 31): 47.371,46.355 53.721,46.355 55.245,47.879 68.072,47.879 72.644,43.307 77.216,43.307 78.74,41.783 78.74,38.608 77.216,37.084 66.167,37.084 63.246,40.005 47.371,40.005

## Other copper
Top Layer:
  text "OZ440-SE140-CAR001_1V" at 46.609,-10.795 h1
Mid-Layer 1:
  text "2" at 84.074,41.529 h2 r90
Mid-Layer 2:
  text "3" at 84.074,43.815 h2 r90
Bottom Layer:
  region net GND: 43.434,20.479 43.434,25.051 40.132,25.051 40.132,20.479
  rectangle net GND: 59.436,32.537 64.008,35.839
  rectangle net GND: 34.798,44.069 39.37,47.371
  rectangle net NetC20_1: 56.769,20.574 59.309,29.845
  rectangle net NetC20_1: 56.769,20.574 64.008,26.162

## Silkscreen, mask and mechanical layers (free items; w line width, h text height)
Top Overlay:
  drawing of 428 lines, arcs and shapes, not listed
  text "Naio Technologies / 2014" at 46.092,21.463 h2
Bottom Overlay:
  drawing of 355 lines, arcs and shapes, not listed
  text "Naio Technologies / 2014" at 52.324,49.149 h2
Bottom Paste:
  rectangle: 29.464,28.702 42.037,33.045
  rectangle: -4.318,26.67 21.615,28.575
  rectangle: -4.318,35.052 11.43,36.957
Bottom Solder:
  rectangle: 29.464,28.702 42.037,33.147
  rectangle: -4.318,26.67 21.615,28.575
  rectangle: -4.318,35.052 11.43,36.957
cutout:
  lines w0.05: -4.899,-4.597 ccw(c-3.999,-4.597) -3.999,-5.497 5.001,-5.497 cw(c5.001,-13.997) 13.501,-13.997 ccw(c14.401,-13.997) 14.401,-14.897 30.001,-14.897 33.001,-14.897 cw(c40.001,-14.897) 47.001,-14.897 60.001,-14.897 65.601,-14.897 ccw(c65.601,-13.997) 66.5,-13.997 cw(c75.001,-13.997) 75.001,-5.497 84.001,-5.497 ccw(c84.001,-4.597) 84.9,-4.597 84.9,64.603 ccw(c84.001,64.603) 84.001,65.503 75.001,65.503 cw(c75.001,74.003) 66.5,74.003 ccw(c65.601,74.003) 65.601,74.903 14.401,74.903 ccw(c14.401,74.003) 13.501,74.003 cw(c5.001,74.003) 5.001,65.503 -3.999,65.503 ccw(c-3.999,64.603) -4.899,64.603 -4.899,-4.597
  lines w0.1: 51.589,28.084 51.591,28.084
Mechanical 8:
  drawing of 8212 lines, arcs and shapes, not listed
Mechanical 16:
  drawing of 2594 lines, arcs and shapes, not listed
  text "1" at -117.166,188.53 h1.78
  text "2" at -68.127,188.53 h1.78
  text "3" at -18.868,188.53 h1.78
  text "4" at 30.425,188.53 h1.78
  text "5" at 79.701,188.53 h1.78
  text "6" at 128.723,188.53 h1.78
  text "7" at 178.253,188.53 h1.78
  text "8" at 227.275,188.53 h1.78
  text "A" at -139.298,154.545 h1.78
  text "A" at 249.322,154.545 h1.78
  text "B" at -139.298,83.933 h1.78
  text "B" at 249.322,83.933 h1.78
  text "C" at -139.298,13.321 h1.78
  text "C" at 247.864,5.765 h1.78
  text "D" at -139.298,-56.783 h1.78
  text "D" at 249.322,-56.783 h1.78
  text "Verifie par:" at 134.387,-56.961 h1.14
  text "Nom de la carte:" at 172.487,-56.961 h1.14
  text ".VerifEngineer" at 140.013,-60.157 h1.52
  text ".boardName" at 184.493,-60.541 h1.52
  text "Nom du Projet" at 172.36,-63.311 h1.14
  text "dessine par:" at 134.387,-64.454 h1.14
  text ".projectTitle" at 184.813,-66.941 h1.52
  text ".designEngineer" at 140.205,-67.645 h1.52
  text "3 Av didier Daurat" at 102.921,-71.882 h1.52
  text "DATE:" at 134.387,-72.201 h1.14
  text "PART NO.:" at 172.487,-72.201 h1.14
  text "Revision" at 225.827,-72.201 h1.14
  text ".PRINT_DATE" at 135.657,-75.249 h1.78
  text "31400 Toulouse" at 104.851,-75.692 h1.52
  text ".boardrevision" at 226.238,-75.692 h1.52
  text ".boardPartNumber" at 181.165,-75.709 h1.52
  text "NOM DU FICHIER:" at 134.387,-79.821 h1.14
  text "Document: No:" at 172.487,-79.821 h1.14
  text "Echelle:" at 225.827,-79.821 h1.14
  text "1:1" at 231.789,-82.429 h1.52
  text ".PCB_FILE_NAME_NO_PATH" at 133.909,-82.931 h1.78
  text "1" at -117.166,-88.33 h1.78
  text "2" at -68.127,-88.33 h1.78
  text "3" at -18.868,-88.33 h1.78
  text "4" at 30.425,-88.33 h1.78
  text "5" at 79.701,-88.33 h1.78
  text "6" at 128.723,-88.33 h1.78
  text "7" at 178.253,-88.33 h1.78
  text "8" at 227.275,-88.33 h1.78
Drill Drawing:
  lines w0.1: -13.054,142.384 -13.052,142.384
  lines w0.25: -114.935,147.477 -10.541,147.477 ; -114.935,151.827 -10.541,151.827 ; -116.459,119.891 ccw(c-115.059,119.891) -115.059,118.491 -10.417,118.491 ccw(c-10.417,119.891) -9.017,119.891 -9.017,155.572 ccw(c-10.417,155.572) -10.417,156.972 -115.059,156.972 ccw(c-115.059,155.572) -116.459,155.572 -116.459,119.891
  lines w0.3: -23.114,64.008 -20.193,64.008 ; 4.033,53.406 4.826,54.198 ; 4.033,54.991 4.826,54.198 ; 11.189,61.056 11.981,61.849 ; 11.189,62.642 11.981,61.849 ; -20.193,64.008 -10.383,54.198 4.826,54.198 ; -20.193,64.008 -9.271,64.008 -7.112,61.849 11.981,61.849
  text "Layer Stack Up Detail for: OZ440-SE140-CAR001.PcbDoc" at -114.935,152.964 h1.95
  text "Layer" at -114.935,150.202 h1
  text "Copper" at -85.544,150.202 h1
  text "Dielectric" at -68.13,150.202 h1
  text "Dielectric" at -50.015,150.202 h1
  text "Dielectric" at -27.622,150.202 h1
  text "Name" at -114.935,148.202 h1
  text "Thickness" at -85.544,148.202 h1
  text "Height" at -68.13,148.202 h1
  text "Material" at -50.015,148.202 h1
  text "Type" at -27.622,148.202 h1
  text "Top Solder Mask" at -114.935,145.348 h1.4
  text "0.0102mm" at -68.13,145.348 h1.4
  text "Solder Resist" at -50.015,145.348 h1.4
  text "Top Layer" at -114.935,141.339 h1.4
  text "0.07mm" at -85.544,141.339 h1.4
  text "0.288mm" at -68.13,139.335 h1.4
  text "FR-4" at -50.015,139.335 h1.4
  text "Core" at -27.622,139.335 h1.4
  text "Mid-Layer 1" at -114.935,137.331 h1.4
  text "0.07mm" at -85.544,137.331 h1.4
  text "0.73mm" at -68.13,135.326 h1.4
  text "FR-4" at -50.015,135.326 h1.4
  text "PrePreg" at -27.622,135.326 h1.4
  text "Mid-Layer 2" at -114.935,133.322 h1.4
  text "0.07mm" at -85.544,133.322 h1.4
  text "0.288mm" at -68.13,131.318 h1.4
  text "FR-4" at -50.015,131.318 h1.4
  text "Core" at -27.622,131.318 h1.4
  text "Bottom Layer" at -114.935,129.314 h1.4
  text "0.07mm" at -85.544,129.314 h1.4
  text ".Legend" at 79.426,128.829 h1.52
  text "Bottom Solder Mask" at -114.935,125.305 h1.4
  text "0.0102mm" at -68.13,125.305 h1.4
  text "Solder Resist" at -50.015,125.305 h1.4
  text "2 x trous fraisés" at -40.259,63.373 h3
  text "NOTA : Toutes les dimensions en mm" at 97.581,-52.285 h1.52
  text ".DrillDocumentNumber" at 180.397,-82.749 h1.52
Mechanical 17:
  lines w0.127: -141.239,-19.432 -136.159,-19.432 ; -141.239,51.053 -136.159,51.053 ; -141.239,121.538 -136.159,121.538 ; -136.159,-77.217 -21.859,-77.217 ; -136.159,-69.597 -21.859,-69.597 ; -113.299,-84.837 -113.299,-69.597 ; -91.963,-89.917 -91.963,-84.837 ; -91.963,186.943 -91.963,192.023 ; -59.959,-84.837 -59.959,-69.597 -59.959,-54.357 ; -59.959,-61.977 -21.859,-61.977 ; -42.687,-89.917 -42.687,-84.837 ; -42.687,186.943 -42.687,192.023 ; 6.462,-89.917 6.462,-84.837 ; 6.462,186.943 6.462,192.023 ; 55.611,-89.917 55.611,-84.837 ; 55.611,186.943 55.611,192.023 ; 104.887,-89.917 104.887,-84.837 ; 104.887,186.943 104.887,192.023 ; 154.036,-89.917 154.036,-84.837 ; 154.036,186.943 154.036,192.023 ; 203.185,-89.917 203.185,-84.837 ; 203.185,186.943 203.185,192.023 ; 245.923,43.497 251.003,43.497 ; 247.381,-19.432 252.461,-19.432 ; 247.381,121.538 252.461,121.538 ; -136.159,-84.837 -136.159,-54.357 -59.959,-54.357 ; -136.159,-84.837 -21.859,-84.837 ; -136.159,-84.837 -136.159,186.943 247.381,186.943 247.381,-84.837 -136.159,-84.837 ; -59.959,-54.357 -21.859,-54.357 ; -21.859,-84.837 -21.859,-54.357 ; -21.859,-84.837 13.701,-84.837 13.701,-54.357 -21.859,-54.357 ; -141.239,-89.917 -141.239,192.023 252.461,192.023 252.461,-89.917 -141.239,-89.917
  text "8" at -116.017,188.594 h1.78
  text "7" at -66.995,188.594 h1.78
  text "6" at -17.465,188.594 h1.78
  text "5" at 31.557,188.594 h1.78
  text "4" at 80.833,188.594 h1.78
  text "3" at 130.126,188.594 h1.78
  text "2" at 179.385,188.594 h1.78
  text "1" at 228.424,188.594 h1.78
  text "A" at -138.064,154.609 h1.78
  text "A" at 250.556,154.609 h1.78
  text "B" at -138.064,83.997 h1.78
  text "B" at 250.556,83.997 h1.78
  text "C" at -138.064,13.385 h1.78
  text "C" at 249.098,5.829 h1.78
  text "Nom de la carte:" at -60.528,-56.134 h1.14
  text "Verifie par:" at -22.428,-56.134 h1.14
  text "D" at -138.064,-56.719 h1.78
  text "D" at 250.556,-56.719 h1.78
  text ".VerifEngineer" at -28.755,-60.093 h1.52
  text ".boardName" at -73.235,-60.477 h1.52
  text "Nom du Projet" at -60.401,-62.484 h1.14
  text "dessine par:" at -22.428,-63.627 h1.14
  text ".projectTitle" at -73.555,-66.877 h1.52
  text ".designEngineer" at -28.947,-67.581 h1.52
  text "Revision" at -113.868,-71.374 h1.14
  text "PART NO.:" at -60.528,-71.374 h1.14
  text "DATE:" at -22.428,-71.374 h1.14
  text ".boardrevision" at -114.376,-74.295 h1.52
  text ".PRINT_DATE" at -24.399,-75.185 h1.78
  text ".boardPartNumber" at -69.907,-75.645 h1.52
  text "Echelle:" at -113.868,-78.994 h1.14
  text "Document: No:" at -60.528,-78.994 h1.14
  text "NOM DU FICHIER:" at -22.428,-78.994 h1.14
  text ".PCB_FILE_NAME_NO_PATH" at -24.399,-82.805 h1.78
  text "1:1" at -120.275,-83.005 h1.52
  text "8" at -116.017,-88.266 h1.78
  text "7" at -66.995,-88.266 h1.78
  text "6" at -17.465,-88.266 h1.78
  text "5" at 31.557,-88.266 h1.78
  text "4" at 80.833,-88.266 h1.78
  text "3" at 130.126,-88.266 h1.78
  text "2" at 179.385,-88.266 h1.78
  text "1" at 228.424,-88.266 h1.78

## Dimensions
-4.899,64.603 to 84.9,64.603 on Drill Drawing
65.601,74.903 to 65.601,-14.897 on Drill Drawing

## Text inside footprints (layer, text, board x,y; h text height)
SN1: Top Overlay "S/N:" at 83.566,12.192 h3 r90; Top Layer "S/N:" at 83.566,12.192 h3 r90
Stack-up1: Top Layer "1" at 84.125,39.268 h2 r90; Bottom Layer "4" at 84.125,47.777 h2 r90